# Altium PCB RaspberryHatBoard1.PcbDoc (part 1 of 3) (continued)
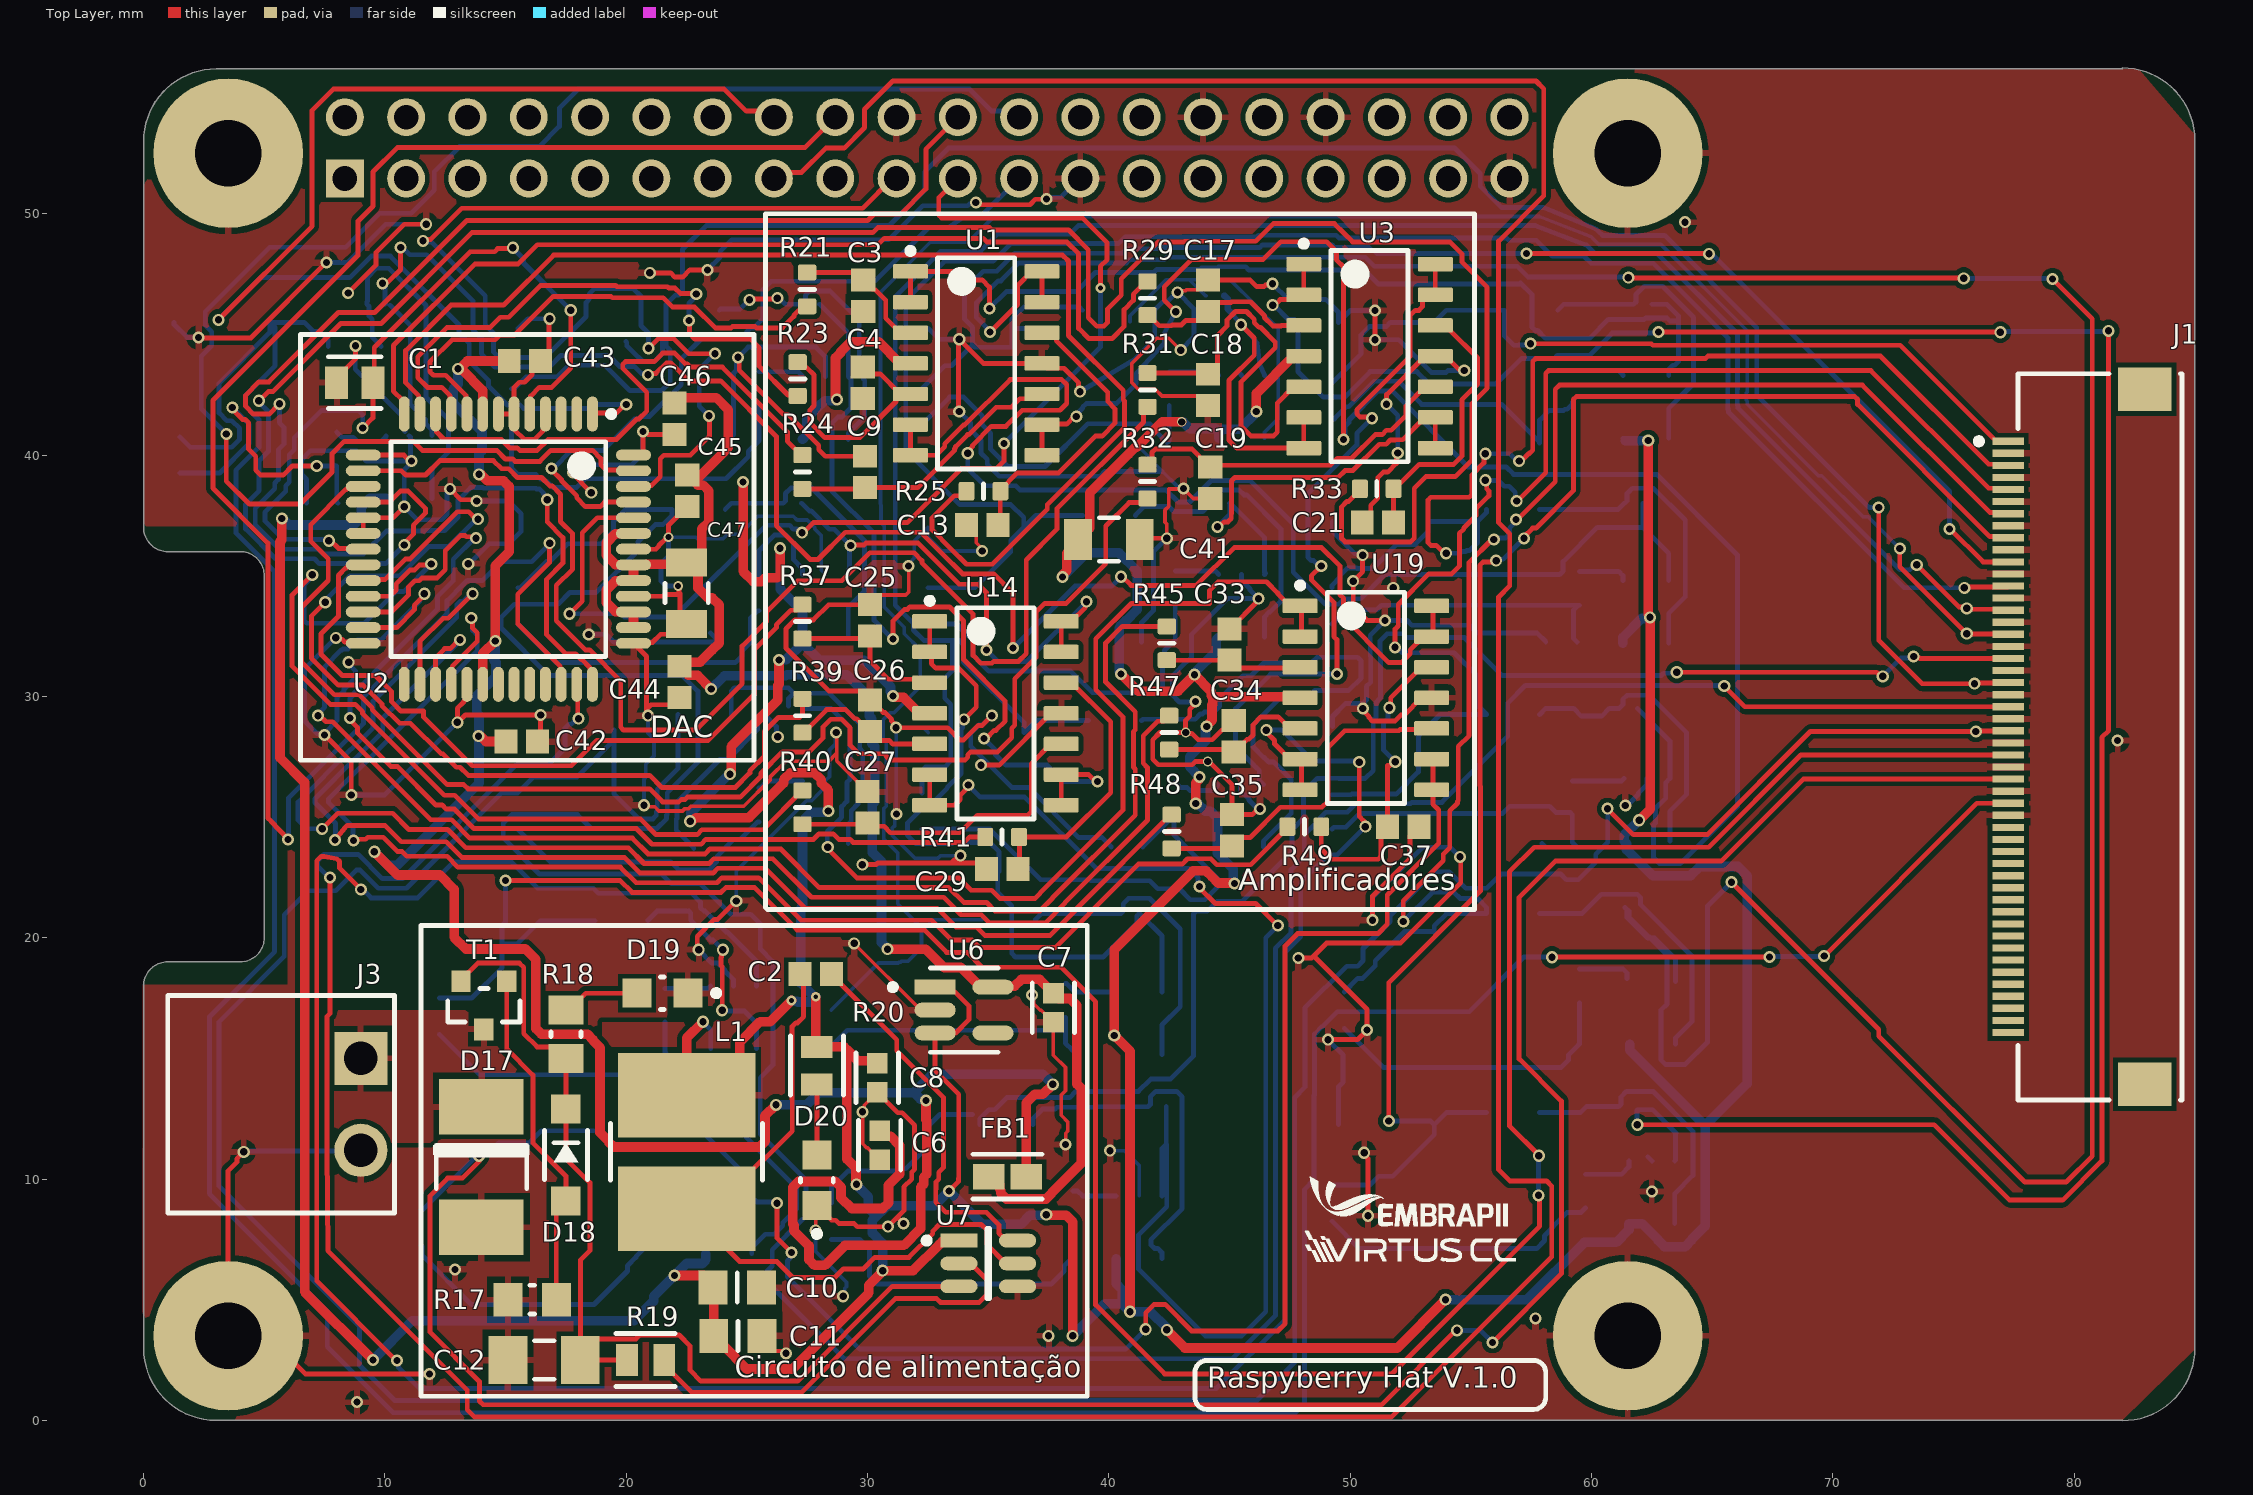
[diagram p0: Top Layer view]
## Part data (continued)
D17: "TVS DIODE 28VWM 45.4VC SMB", Case/Package=SMB, Clamping Voltage=45.4V, Manufacturer=Diodes, Max Operating Temperature=150°C, Min Breakdown Voltage=31.1V, Min Operating Temperature=-55°C, Peak Pulse Current=13.2A, Peak Pulse Power=600W, Power Line Protection=No, Resistor Type=Zener, Reverse Standoff Voltage=28V, Supplier Part Number 1=SMBJ28CAQ-13-FDICT-ND, Category="TVS Diodes", ComponentLink1Description=https://www.diodes.com/assets/Datasheets/ds40740.pdf?src-supplier=Digi-Key, ComponentLink1URL=https://www.diodes.com/assets/Datasheets/ds40740.pdf?src-supplier=Digi-Key, Manufacturer Part Number=SMBJ28CAQ-13-F, Mount="Surface Mount", Number of Bidirectional Channels=1, Packaging="Tape and Reel", Pricing 1="1=0,44000, 10=0,37900, 100=0,28310, 500=0,22240, 1000=0,17185 (USD)", RoHS=Yes, RoHS Compliant=Yes, Stock 1=16278, Supplier 1=Digi-Key, Supplier 2=Mouser, Supplier Part Number 2=621-SMBJ28CAQ-13-F
D18: "DIODE ZENER 15V 500MW SOD123", Manufacturer=MCC, Max Operating Temperature=150°C, Max Power Dissipation=500mW, Max Reverse Leakage Current=100nA, Min Operating Temperature=-55°C, Package Quantity=1, Supplier Part Number 1=MMSZ5245B-TPMSCT-ND, Test Current=8.5mA, Tolerance=5%, Zener Voltage=15V, Category="Zener Diodes", ComponentLink1Description=https://datasheet.ciiva.com/890/mmsz5221-mmsz5259sod123-890445.pdf?src-supplier=Digi-Key, ComponentLink1URL=https://datasheet.ciiva.com/890/mmsz5221-mmsz5259sod123-890445.pdf?src-supplier=Digi-Key, ComponentLink2Description=https://datasheet.ciiva.com/890/mmsz5221-mmsz5259sod123-890446.pdf?src-supplier=Digi-Key, ComponentLink2URL=https://datasheet.ciiva.com/890/mmsz5221-mmsz5259sod123-890446.pdf?src-supplier=Digi-Key, ComponentLink3Description=https://datasheet.ciiva.com/890/mmsz5221-mmsz5259sod123-890447.pdf?src-supplier=Digi-Key, ComponentLink3URL=https://datasheet.ciiva.com/890/mmsz5221-mmsz5259sod123-890447.pdf?src-supplier=Digi-Key, Element Configuration=Single, Impedance=16R, Lead Free="Lead Free", Manufacturer Part Number=MMSZ5245B-TP, Mount="Surface Mount", Number of Pins=2, Packaging="Tape and Reel", Power Dissipation=500mW, Pricing 1="1=0,22000, 10=0,17700, 100=0,09400, 500=0,06188, 1000=0,04208 (USD)", RoHS=Yes, Series=-, Stock 1=330368, Supplier 1=Digi-Key, Supplier 2=Mouser, Supplier 3="Arrow Electronics", Supplier Part Number 2=833-MMSZ5245B-TP, Supplier Part Number 3=MMSZ5245B-TP, Voltage Tolerance=5%
D19 D20: library part CMP-1674-00002-6, "LED GREEN CLEAR SMD", Case Code (Imperial)=0805, Case Code (Metric)=2012, Color=Green, Forward Current=30mA, Forward Voltage=2.1V, Lens Color=Colorless, Max Operating Temperature=85°C, Min Operating Temperature=-55°C, Package Quantity=1, Power Dissipation=100mW, Reverse Voltage=5V, Test Current=10mA, Case/Package=0805, Depth=1.25mm, Dominant Wavelength=569nm, Height=1.1mm, Illumination Color=Green, Lead Free="Lead Free", Length=2mm, Lens Style=Diffused, Lens Transparency=Clear, Luminous Intensity=6mcd, Mount="Surface Mount", Number of Elements=1, Number of LEDs=1, Number of Pins=2, Packaging="Tape and Reel", Power Rating=100mW, Radiation Hardening=No, Viewing Angle=130°, Voltage=5V, Wavelength=565nm, Width=1.25mm
F1 F2 F3 F4 F5 F6 F7 F8 F9 F10 F11 F12 F13 F14 F15 F16: library part CMP-07400-000017-1, "PTC RESET FUSE 15V 100MA 0805", Ambient Temperature Range High=+85°C, Ambient Temperature Range Low=-40°C, Current Rating=40A, Hold Current=0.1A, Manufacturer="Bourns Inc.", Package=MF-PSMF, Resistance=1-7.5Ω, Temperature="-40°C to +85°C", Trip Current=0.3A, Voltage Rating=15V, Automotive=No, Category=Fuse, ComponentLink2Description=Datasheet, ComponentLink2URL=https://www.bourns.com/docs/Product-Datasheets/mfpsmf.pdf, Device Class L1="Circuit Protection", Device Class L2="PTC Resettable Fuses", Device Class L3=unset, Digikey Description="PTC RESET FUSE 15V 100MA 0805", Height=0.85mm, Ipc Land Pattern Name=CAPC215135X67, Lead Free=Yes, Manufacturer Part Number=MF-PSMF010X-2, Mouser Description="Resettable Fuses - PPTC 0.10A 15V 1ohm", Octopart=https://octopart.com/mf-psmf010x-2-bourns-7483441, RoHS=TRUE, Temperature Range High=+85°C, Temperature Range Low=-40°C, Trip Time=1.5s
FB1: library part CMP-0686-00581-3, "Chip Ferrite Bead, 0603, 600Ω @ 100MHz, 0.15Ω, 25%, 1.3A", Case Code (Imperial)=0603, Case Code (Metric)=1608, Current Rating=1.3A, DC Resistance (DCR)=150mR, Inductor Type="FERRITE BEAD", Max Operating Temperature=125°C, Min Operating Temperature=-55°C, Package Quantity=1, Test Frequency=100MHz, Tolerance=25%, Case/Package=0603, Core Material=Ferrite, DC Current=1.3A, Depth=0.8mm, Height=0.8mm, Impedance=600R, Lead Free="Lead Free", Length=1.6mm, Material=Steel, Max Current Rating=1.3A, Max DC Current=1.3A, Military Standard=Not, Number of Circuits=1, Number of Lines=1, Number of Pins=2, Packaging="Tape and Reel", Radiation Hardening=No, REACH SVHC="No SVHC", RoHS Compliant=Yes, Series=BLM18K, Termination=SMD/SMT, Weight=7.1E-05oz, Width=0.8mm
J1: library part CMP-11609-000009-1, "CONN FFC BOTTOM 50POS 0.50MM R/A", Current Rating=0.5A, Manufacturer="Hirose Electric Co Ltd", Package=0, Temperature="-40°C to +105°C", Temperature Range High=+105°C, Temperature Range Low=-40°C, Voltage Rating=50V, Automotive=No, Category=Conn, ComponentLink2Description=Datasheet, ComponentLink2URL=http://www.hirose.co.jp/cataloge_hp/e58618038.pdf, Conn Gender=Female, Conn Orientation=Horizontal, Contact Material=Gold, Device Class L1=Connectors, Device Class L2="FFC / FPC", Device Class L3=unset, Digikey Description="CONN FFC BOTTOM 50POS 0.50MM R/A", Height=5.6mm, Is Female=yes, Lead Free=Yes, Manufacturer Part Number=FH28-50S-0.5SH(05), Mouser Description="FFC & FPC Connectors 50POS 0.5MM SMT GOLD", Number of Contacts=50, Octopart=https://octopart.com/fh28-50s-0.5sh%2805%29-hirose-240232, Pitch=0.5mm, RoHS=TRUE
J2: "TERM BLOCK PLUG 2POS STR 3.81MM", Color=Green, Current=8A, Flammability Rating="UL94 V-0", Manufacturer="Phoenix Contact", Package Quantity=100, Supplier Part Number 1=277-11343-ND, Voltage=300V, Voltage Rating=160V, Category="Terminal Blocks", ComponentLink1Description=https://datasheet.ciiva.com/29706/5447861-29706032.pdf?src-supplier=Digi-Key, ComponentLink1URL=https://datasheet.ciiva.com/29706/5447861-29706032.pdf?src-supplier=Digi-Key, Connector Type=Screw, Contact Plating=Tin, Current Rating=8A, Housing Material=Polyamide, Manufacturer Part Number=5447861, Mount="Free Hanging", Number of Levels=1, Number of Pins=2, Number of Positions=2, Number of Positions Per Level=2, Packaging=Bulk, Pitch=0.15inch, Pricing 1="1=2,56000, 10=2,45300, 50=2,38620, 100=2,23000, 250=2,05160, 500=1,89550, 1000=1,80631, 2500=1,77954 (USD)", RoHS=Yes, Stock 1=30203, Supplier 1=Digi-Key, Supplier 2=Mouser, Supplier Part Number 2=651-5447861, Termination=Screw, Wire Gauge (Max)=30AWG, Wire Gauge (Min)=14AWG
J3: "TERM BLOCK HDR 2POS 90DEG 3.81MM", Color=Green, Current=8A, Flammability Rating="UL94 V-0", Manufacturer="Phoenix Contact", Package Quantity=100, Supplier Part Number 1=277-11313-ND, Voltage=300V, Voltage Rating=160V, Category="Terminal Blocks", ComponentLink1Description=https://datasheet.ciiva.com/29682/5444262-29682658.pdf?src-supplier=Digi-Key, ComponentLink1URL=https://datasheet.ciiva.com/29682/5444262-29682658.pdf?src-supplier=Digi-Key, Contact Plating=Tin, Current Rating=8A, Housing Material=Polyamide, Length=9.2mm, Manufacturer Part Number=5444262, Mount="Through Hole", Number of Levels=1, Number of Positions=2, Number of Positions Per Level=2, Packaging=Bulk, Pitch=0.15inch, Pricing 1="1=0,87000, 10=0,83600, 50=0,81320, 100=0,76000, 250=0,69920, 500=0,64600, 1000=0,61560, 2500=0,60648 (USD)", RoHS=Yes, RoHS Compliant=Yes, Stock 1=66186, Supplier 1=Digi-Key, Supplier 2=Mouser, Supplier Part Number 2=651-5444262, Termination=Solder
L1: "FIXED IND 4.7UH 4A 23 MOHM SMD", Case/Package=Nonstandard, Current Rating=4.5A, DC Resistance (DCR)=27.6mR, Inductance Tolerance=20%, Manufacturer=Murata, Manufacturer Part Number=1255AY-4R7M=P3, Max Operating Temperature=85°C, Min Operating Temperature=-40°C, RMS Current (Irms)=4A, Supplier Part Number=490-10812-1-ND, Test Frequency=100kHz, Category="Fixed Inductors", ComponentLink1Description=http://search.murata.co.jp/Ceramy/image/img/P02/J(E)TE243B-0037_DG6045C_reference.pdf?src-supplier=Digikey, ComponentLink1URL=http://search.murata.co.jp/Ceramy/image/img/P02/J(E)TE243B-0037_DG6045C_reference.pdf?src-supplier=Digikey, ComponentLink2Description=http://www.toko.co.jp/products/pdf/inductors/dg6045c.pdf?src-supplier=Digikey, ComponentLink2URL=http://www.toko.co.jp/products/pdf/inductors/dg6045c.pdf?src-supplier=Digikey, ComponentLink3Description=http://www.toko.co.jp/products/pdf/inductors/dg6045c.pdf?src-supplier=Avnet, ComponentLink3URL=http://www.toko.co.jp/products/pdf/inductors/dg6045c.pdf?src-supplier=Avnet, Core Material=Ferrite, ESR=27.6mR, Height=4.5mm, Height - Seated (Max)=0.177inch, Length=0.248inch, Mounting Technology="Surface Mount", Packaging="Cut Tape", Pricing="1=0,38, 10=0,314, 100=0,2584 (USD)", RoHS=Yes, RoHS Compliant=Yes, Saturation Current=4.5A, Series=DG6045C, Shielding=Shielded, Stock=84053, Supplier=Digikey, Tolerance=20%, Width=0.248inch
P1: library part CMP-1502-01370-4, "THT Vertical Socket Header WR-PHD, Pitch 2.54 mm, Dual Row, 40 pins", Contact Resistance=20mΩ, Current Rating=3A, Operating Supply Voltage=250V, Gender=Female, Lead Pitch=2.54mm, Number of Pins=40, Orientation=Vertical
R1 R2 R3 R4 R5 R6 R7 R8 R9 R10 R11 R12 R13 R14 R15 R16: library part CMP-2002-04124-1, Manufacturer="KOA Speer", Part Number=SG73S1ETTP1R0J
R17: "RES 1M OHM 1% 1/8W 0805", Case Code (Imperial)=0805, Case Code (Metric)=2012, Case/Package=Molded, Manufacturer=Yageo, Max Operating Temperature=155°C, Min Operating Temperature=-55°C, Power Rating=125mW, Resistance Tolerance=1%, Resistor Type="Thick Film", Supplier Part Number=311-1.00MCRCT-ND, Temperature Coefficient=250ppm/°C, Voltage Rating=150V, Category="Chip SMD Resistors", ComponentLink1Description=https://datasheet.ciiva.com/17419/rc0805-17419909.pdf?src-supplier=Future+Electronics, ComponentLink1URL=https://datasheet.ciiva.com/17419/rc0805-17419909.pdf?src-supplier=Future+Electronics, Construction=Rectangular, Depth=1.25mm, Lead Free="Lead Free", Length=2mm, Manufacturer Part Number=RC0805FR-071ML, Military Standard=Not, Packaging="Tape and Reel", Pricing="1=0,1, 10=0,026, 50=0,0162, 100=0,0134, 500=0,00906, 1000=0,00778 (USD)", Reach SVHC Compliant=Unknown, RoHS=Yes, RoHS Compliant=Yes, Stock=145027, Supplier=Digikey, Supplier 1=Digikey, Supplier 2=Mouser, Supplier Part Number 1=311-1.00MCRCT-ND, Supplier Part Number 2=603-RC0805FR-071ML, Tolerance=1%, Voltage Rating (AC)=150V
R18: library part CMP-2100-03671-1, "Chip Resistor, 1 KOhm, +/- 1%, 125 mW, -55 to 155 degC, 0805 (2012 Metric), RoHS, Tape and Reel", Case Code (Imperial)=0805, Case Code (Metric)=2012, Manufacturer=Yageo, Max Operating Temperature=155degC, Max Power Dissipation=125mW, Min Operating Temperature=-55degC, Package Description="2-Pin Surface Mounted Device, Body 2 x 1.25 mm", Package Quantity=1, Resistance=1KOhm, Temperature Coefficient=100ppm/degreesC, Tolerance=1%, Voltage Rating=150V, Case/Package=0805, Composition=ThickFilm, Datasheet URL=http://www.yageo.com/NewPortal/yageodocoutput?fileName=/pdf/R-Chip/PYu-RC_Group_51_RoHS_L_5.pdf, Datasheet Version="Rev. 5, 10/2016", Depth=1.25mm, Height=0.024inch, Lead Free=LeadFree, Length=0.079inch, Manufacturer URL=http://www.yageo.com/, Military Standard=Not, Number of Pins=2, Number of Terminations=2, Package Reference=0805, Packaging=TapeandReel, Power Rating=125mW, REACH SVHC=Unknown, RoHSCompliant=true, Termination=SMD/SMT, Voltage Rating (DC)=150V, Width=0.049inch
R19: library part CMP-03211-000816-1, "CRGCQ 0805 100K 1%", Ambient Temperature Range High=+70°C, Manufacturer="TE Connectivity", Manufacturer Part Number=CRGCQ0805F100K, Package=CRGCQ0805, Power Rating=0.125W, Resistance=100KΩ, Temperature="-55°C to +155°C", Temperature Coefficient=±100ppm/°C, Temperature Range High=+155°C, Temperature Range Low=-55°C, Tolerance=0.01, Voltage Rating=150V, Automotive=Yes, Automotive Grade="Grade 1141", Category=Res, ComponentLink2Description=Datasheet, ComponentLink2URL=https://www.te.com/commerce/DocumentDelivery/DDEController?Action=showdoc&DocId=Data+Sheet%7F1773204-3%7F1%7Fpdf%7FEnglish%7FENG_DS_1773204-3_1.pdf%7F4-2176341-1150, Composition="Thick Film", Device Class L1="Passive Components", Device Class L2=Resistors, Device Class L3="Chip SMD Resistors", Digikey Description="CRGCQ 0805 100K 1%", Height=0.65mm, Ipc Land Pattern Name=RESC200125X55, Lead Free=Yes, Mouser Description="Res Thick Film 0805 100K Ohm 1% 0.125W(1/8W) ±100ppm/C Pad SMD Automotive T/R", Octopart=https://octopart.com/crgcq0805f100k-te+connectivity-91018138, RoHS=TRUE, Series=CRGCQ
R20: library part CMP-03211-002267-1, "CRGCQ0805 470Ω 0.125W ±100ppm/°C 5% 150V", Ambient Temperature Range High=+70°C, Manufacturer="TE Connectivity", Manufacturer Part Number=CRGCQ0805J470R, Package=CRGCQ0805, Power Rating=0.125W, Resistance=470Ω, Temperature="-55°C to +155°C", Temperature Coefficient=±100ppm/°C, Temperature Range High=+155°C, Temperature Range Low=-55°C, Tolerance=0.05, Voltage Rating=150V, Automotive=Yes, Automotive Grade="Grade 610", Category=Res, ComponentLink2Description=Datasheet, ComponentLink2URL=https://www.te.com/commerce/DocumentDelivery/DDEController?Action=showdoc&DocId=Data+Sheet%7F1773204-3%7F1%7Fpdf%7FEnglish%7FENG_DS_1773204-3_1.pdf%7F4-2176341-619, Composition="Thick Film", Device Class L1="Passive Components", Device Class L2=Resistors, Device Class L3="Chip SMD Resistors", Height=0.65mm, Ipc Land Pattern Name=RESC200125X55, Lead Free=Yes, Octopart=https://octopart.com/crgcq0805j470r-te+connectivity-91018229, RoHS=TRUE, Series=CRGCQ
R21 R23 R24 R25: library part CMP-009-00017-7, "Chip Resistor, 10 KOhm, +/- 1%, 01 W, -55 to 155 degC, 0603 (1608 Metric)", Case/Package=0603, Manufacturer=Yageo, Manufacturer Part Number=RC0603FR-0710KL, Max Operating Temperature=155°C, Min Operating Temperature=-55°C, Power=100mW, Tolerance=1%, Voltage Rating=50V, Component Type=Resistors, Mounting Technology=SM, Pins=2, RoHS Compliant=True
R22 R26 R27 R28: library part CMP-009-00014-6, "Chip Resistor, 1 KOhm, +/-1%, 0.1 W, -55 to 155 degC, 0603 (1608 Metric)", Case/Package=0603, Manufacturer=Yageo, Manufacturer Part Number=RC0603FR-071KL, Max Operating Temperature=155°C, Min Operating Temperature=-55°C, Power=100mW, Tolerance=1%, Voltage Rating=50V, Component Type=Resistors, Mounting Technology=SM, Pins=2, RoHS Compliant=True
R29 R31 R32 R33 R37 R39 R40 R41 R45 R47 R48 R49: library part CMP-009-00017-7, "Chip Resistor, 10 KOhm, +/- 1%, 01 W, -55 to 155 degC, 0603 (1608 Metric)", Case/Package=0603, Manufacturer=Vishay, Manufacturer Part Number=CRCW060310K0FKEA, Max Operating Temperature=155°C, Min Operating Temperature=-55°C, Power=100mW, Tolerance=1%, Voltage Rating=50V, Component Type=Resistors, Mounting Technology=SM, Pins=2, RoHS Compliant=True
R30 R34 R35 R36 R38 R42 R43 R44 R46 R50 R51 R52: library part CMP-009-00014-6, "Chip Resistor, 1 KOhm, +/-1%, 0.1 W, -55 to 155 degC, 0603 (1608 Metric)", Case/Package=0603, Manufacturer=Yageo, Manufacturer Part Number=RC0603FR-131KL, Max Operating Temperature=155°C, Min Operating Temperature=-55°C, Power=100mW, Tolerance=1%, Voltage Rating=50V, Component Type=Resistors, Mounting Technology=SM, Pins=2, RoHS Compliant=True
T1: library part CMP-12801-000050-1, "MOSFET P-CH 40V 2.4A SOT23", Continuous Drain Current=-2.4A, Drain to Source Breakdown Voltage=-40V, Drain to Source Resistance=64mΩ, Gate To Source Voltage=20V, Input Capacitace At Vds="587pF @ -20V", Manufacturer="Diodes Inc.", Max Forward Diode Voltage=-1.2V, Max Junction Temp=+150°C, Package=SOT23, Power Dissipation=0.72W, Pulse Drain Current=-20A, Temperature="-55°C to +150°C", Temperature Range Low=-55°C, Typ Forward Diode Voltage=-0.7V, Automotive=No, Category=Trans, ComponentLink2Description=Datasheet, ComponentLink2URL=https://www.diodes.com/assets/Datasheets/DMP4065S.pdf, Depletion Mode=False, Device Class L1="Discrete Semiconductors", Device Class L2=Transistors, Device Class L3=MOSFETs, Digikey Description="MOSFET P-CH 40V 2.4A SOT23", Drain To Source Voltage=-40V, Footprint Url=https://www.diodes.com/assets/Package-Files/SOT23.pdf, Gate Charge At Vgs="12.2nC @ -10V", Height=1.1mm, Ipc Land Pattern Name=SOT92P240X102-3, Lead Free=Yes, Manufacturer Part Number=DMP4065S-7, Mouser Description="Trans MOSFET P-CH 40V 2.4A Automotive 3-Pin SOT-23 T/R", Number of Channels=1, Number Of P Channels=1, Octopart=https://octopart.com/dmp4065s-7-diodes+inc.-57605044, RoHS=TRUE, Rthja Max=171°C/W, Standoff Height=0.013mm, Temperature Range High=+150°C, Threshold Vgs Max=-3V, Threshold Vgs Min=-1V, Turn Off Delay Time=36.3ns, Turn On Delay Time=3.6ns
U1 U3 U14 U19: library part CMP-0271-00006-3, "Quad Low Power, Rail-to-Rail Input / Output Operational Amplifier, 2.7 to 6 V, 0 to 70 degC, 14-pin SOIC (D14), Green (RoHS & no Sb/Br)", Manufacturer="Texas Instruments", Total Supply Voltage(Max)(+5V is 5, +/-5V is 10)=6, Total Supply Voltage(Min)(+5V is 5, +/-5V is 10)=2.7, CMRR(Min)(dB)=66, Code_JEDEC=MS-012, ComponentLink1Description="Manufacturer URL", ComponentLink1URL=http://www.ti.com/, ComponentLink2Description=Datasheet, ComponentLink2URL=http://www.ti.com/general/docs/lit/getliterature.tsp?genericPartNumber=TLV2464&fileType=pdf, ComponentLink3Description="Package Specification", ComponentLink3URL=http://www.ti.com/lit/ml/mpds177g/mpds177g.pdf, DatasheetVersion=SLOS220J, Eco-Plan="Green (RoHS & no Sb/Br)", IIB(Max)(pA)=14000, Iq per channel(Max)(mA)=0.575, Mounting Technology="Surface Mount", Number of Channels=4, Offset Drift(Typ)(uV/C)=2, PackageDescription="14-Pin Plastic Small Outline, Body 8.65 x 3.9 mm, Pitch 1.27 mm", PackageReference=D0014A, PackageVersion="4040047-5/M, 06/2011", PartNumber=TLV2464CDR, Slew Rate(Typ)(V/us)=1.6, Sub Family="High Output Current Amplifier (>=50mA), Low Supply Voltage Amplifier (<=2.7V), Precision Amplifier", Vio (25C)(Max)(mV)=2, Vn at 1kHz(Typ)(nV/rtHz)=11
U2: library part CMP-0318-00791-2, "16 Channel 12-Bit Single-Supply Voltage Output Digital-to-Analog Converter with Serial Interface, 3 V, -40 to +85 degC, ST-52, Pb-Free, Tray", Generic Part Number=AD5391, Manufacturer="Analog Devices", # DAC Outputs=16, Code_JEDEC=MS-026-BCC, ComponentLink1Description="Manufacturer URL", ComponentLink1URL=http://www.analog.com/en/index.html, ComponentLink2Description=Datasheet, ComponentLink2URL=http://www.analog.com/static/imported-files/data_sheets/AD5390_5391_5392.pdf, ComponentLink3Description="Package Specification", ComponentLink3URL=http://www.analog.com/static/imported-files/packages/61012411624300842189414155189544791816408612ST_52_10x10.pdf, ComponentLink4Description="Product URL", ComponentLink4URL=http://www.analog.com/en/digital-to-analog-converters/da-converters/ad5391/products/product.html, ComponentLink5Description="Reference Design URL", ComponentLink5URL=http://www.analog.com/en/digital-to-analog-converters/da-converters/ad5391/products/product.html#prod_cross_sell, DatasheetVersion="Rev. D", Max V+=5.5V, Mounting Technology="Surface Mount", PackageDescription="52-Lead Low Profile Quad Flat Package [LQFP]", PackageReference=ST-52, PackageVersion=2003, Packing=Tray, PartNumber=AD5391BSTZ-3, Resolution (Bits)=12, RevisionNote="Component URL fixed", RoHS=Y, Settling Time=6Âµs, Single Supply=Yes
U4 U5 U8 U9 U10 U11 U12 U13 U15 U16 U17 U18 U20 U21 U22 U23: library part CMP-04895-000287-1, "IC CURR SENSE 1 CIRCUIT SOT23-5", Case/Package=SOT-23-5, Input Bias Current=100nA, Input Offset Voltage (Vos)=100uV, Max Operating Temperature=125°C, Min Operating Temperature=-40°C, Operating Supply Current=260uA, -3db Bandwidth=350kHz, Mount="Surface Mount", Number of Circuits=1, Packaging="Tape and Reel", RoHS Compliant=Yes, Slew Rate=2V/µs
U6: library part CMP-12756-000035-1, "IC REG LINEAR 3.3V 600MA SOT25", Case/Package=SOT-23-5, Dropout Voltage=250mV, Max Input Voltage=6V, Max Operating Temperature=85°C, Max Output current=600mA, Min Input Voltage=2.5V, Min Operating Temperature=-40°C, Output Voltage=3.3V, Package Quantity=1, Quiescent Current=55uA, Accuracy=1.5%, Height=1.3mm, Lead Free="Lead Free", Length=3.1mm, Mount="Surface Mount", Number of Outputs=1, Number of Pins=5, Number of Regulators=1, Output Current=600mA, Output Type=Fixed, Packaging="Tape and Reel", Polarity=Positive, Width=1.7mm
U7: "IC REG BUCK 5V 2A TSOT23-6", Manufacturer=Diodes, Max Operating Temperature=85°C, Max Supply Voltage=32V, Min Operating Temperature=-40°C, Min Supply Voltage=3.8V, Nominal Supply Current=22uA, Output Current=2A, Output Voltage=5V, Supplier Part Number=AP63205WU-7DICT-ND, Switching Frequency=1.1MHz, Category="Voltage Regulators - Switching", ComponentLink1Description=https://www.diodes.com/assets/Datasheets/AP63200-AP63201-AP63203-AP63205.pdf?src-supplier=Digikey, ComponentLink1URL=https://www.diodes.com/assets/Datasheets/AP63200-AP63201-AP63203-AP63205.pdf?src-supplier=Digikey, Height=1mm, Manufacturer Part Number=AP63205WU-7, Max Duty Cycle=100%, Number of Outputs=1, Pricing="1=0,71, 10=0,506, 25=0,4548, 100=0,398, 250=0,37088, 500=0,35456, 1000=0,34112 (USD)", RoHS=Yes, Stock=6143, Supplier=Digikey, Supplier 1=Digikey, Supplier 2=Mouser, Supplier Part Number 1=AP63205WU-7DICT-ND, Supplier Part Number 2=621-AP63205WU-7

## Free pads (board coordinates)
  round 6.2 hole 2.75: 0(3.5,3.5) 0(61.5,3.5)
  round 6.2 hole 2.75 mask-0.3: 0(3.5,52.5) 0(61.5,52.5)

## Via types
v1: diameter 0.5, hole 0.3, Top Layer to Bottom Layer, tented both sides, 259 vias
v2: diameter 0.4, hole 0.3, Top Layer to Bottom Layer, tented both sides, 3 vias
v3: diameter 0.4, hole 0.2, Top Layer to Bottom Layer, tented both sides, 3 vias
v4: diameter 0.4, hole 0.25, Top Layer to Bottom Layer, tented both sides, 2 vias

## Nets (pads, with @x,y where several pads share a name; then routed paths per layer and width w, separated by ;. In a path a pad name is that pad's centre, name@x,y a point inside that pad or via, vN(x,y) a via of type N, cw(c..) or ccw(c..) an arc to the next point about the centre after c; other vN are vias at no path point)
+3.3V_Analog: C6.2 C42.1 C43.2 FB1.2 U2.8 U2.32 | length 101.2
  Top Layer w0.4: v1(9.561,23.561) 10.525,22.596 12.277,22.596 12.87,22.002 12.87,20.017 13.356,19.531 15.815,19.531 16.25,19.096 16.25,16.234 16.484,16 18.391,16 18.625,15.766 18.625,15.733 18.915,15.444 18.915,11.929 19.25,11.594 19.25,11.561 19.484,11.327 25.516,11.327 25.75,11.561 25.75,12.625 v1(26.2,13.075) ; v1(13.875,28.35) 13.956,28.35 14.178,28.128 14.928,28.128 C42.1@14.989,28.189 ; v1(13.9,39.2) 13.981,39.2 14.251,38.93 14.916,38.93 15.15,38.696 15.15,35.991 14.574,35.415 v1(14.574,32.299) 14.05,31.775 U2.32@14.05,30.5 ; U2.8@14.05,41.7 14.05,42.675 13.207,43.518 13.082,43.518 v1(13.025,43.575) 13.09,43.575 13.415,43.9 C43.2@15.15,43.9 ; C6.2@30.5,12.001 30.728,11.773 30.949,11.773 31.329,11.393 31.329,10.205 30.866,9.742 30.866,9.013 30.628,8.775 29.347,8.775 28.9,9.222 28.9,9.666 28.666,9.9 27.134,9.9 26.9,9.666 26.9,8.134 26.95,8.084 26.95,7.853 27.575,7.228 27.575,6.654 27.809,6.42 28.23,6.42 29.061,7.25 31.503,7.25 32.2,7.947 32.2,9.662 32.329,9.791 32.329,10.08 32.45,10.201 32.45,12.435 32.419,12.466 v1(32.419,13.25) ; FB1.2@36.576,10.1 36.576,13.162 36.929,13.515 37.265,13.515 v1(37.675,13.925)
  Bottom Layer w0.4: v1(9.561,23.561) 10.121,23 10.5,23 13.9,26.4 13.9,28.4 13.9,29.204 13.8,29.304 13.8,30.026 14.6,30.826 14.6,31.405 14.506,31.499 14.506,31.649 14.574,31.718 v1(14.574,32.299) ; v1(13.025,43.575) 13.025,42.929 12.825,42.729 12.825,42.163 14.019,40.969 14.019,40.185 13.9,40.066 v1(13.9,39.2) ; v1(26.2,13.075) 27.472,13.075 27.978,13.581 31.919,13.581 ; v1(32.419,13.25) 32.361,13.307 32.193,13.307 31.919,13.581 ; v1(37.675,13.925) 37.265,14.335 32.673,14.335 31.919,13.581
+3.3V_Ext: C7.2 C44.2 C45.2 C46.2 C47.1 FB1.1 U2.41 U2.42 U2.44 U2.45 U2.47 U6.5 | length 66.1
  Top Layer w0.4: U2.42@20.023,33.5 20.014,33.51 19.557,33.51 19.175,33.891 19.175,34.409 19.557,34.79 20.29,34.79 U2.44@20.3,34.8 U2.45@20.3,35.45 ; U2.47@20.29,36.74 19.557,36.74 19.175,36.359 19.175,35.841 19.557,35.46 20.29,35.46 U2.45@20.3,35.45 ; U2.41@20.3,32.85 U2.42@20.3,33.5 ; C46.2@22,42.15 22.225,42.375 23.73,42.375 24.231,41.874 24.231,40.306 C45.2@22.825,38.9 ; C44.2@22.2,31.25 22.575,30.875 22.95,30.875 v1(23.519,30.305) ; C44.2@22.425,31.271 22.425,31.396 22.45,31.421 23.064,31.421 23.562,31.919 23.857,32.214 23.857,33.786 23.562,34.081 23.388,34.081 22.975,34.494 22.975,35.482 C47.1@22.932,35.525 ; C47.1@22.5,35.552 22.423,35.475 20.839,35.475 20.814,35.45 U2.45@20.3,35.45 ; C45.2@22.525,39.175 22.55,39.175 22.975,38.75 23.191,38.75 23.425,38.516 23.425,37.234 23.124,36.934 23.124,35.929 C47.1@22.747,35.552 ; v1(30.825,19.525) 32.41,19.525 33.173,18.762 33.862,18.762 34.655,17.969 34.655,17.95 34.696,17.991 36.091,17.991 36.375,18.275 37.125,18.275 C7.2@37.699,17.701 ; FB1.1@35.024,10.1 35.148,10.1 35.477,9.771 35.477,9.583 35.523,9.537 35.523,9.405 35.757,9.171 37.395,9.171 37.629,9.405 37.629,9.429 38.85,10.65 38.85,13.763 38.675,13.938 38.675,17.188 38.384,17.479 37.923,17.479 C7.2@37.7,17.701
  Bottom Layer w0.4: v1(23.519,30.305) 24.069,30.855 26.601,30.855 26.646,30.9 29.125,30.9 30.075,29.95 30.075,29.176 30.175,29.076 30.175,28.047 30.3,27.922 30.3,25.649 30.2,25.549 30.2,23.528 30.575,23.153 30.575,19.802 30.825,19.552 v1(30.825,19.525)